# Altium PCB PCB4.PcbDoc (part 3 of 12) (continued)
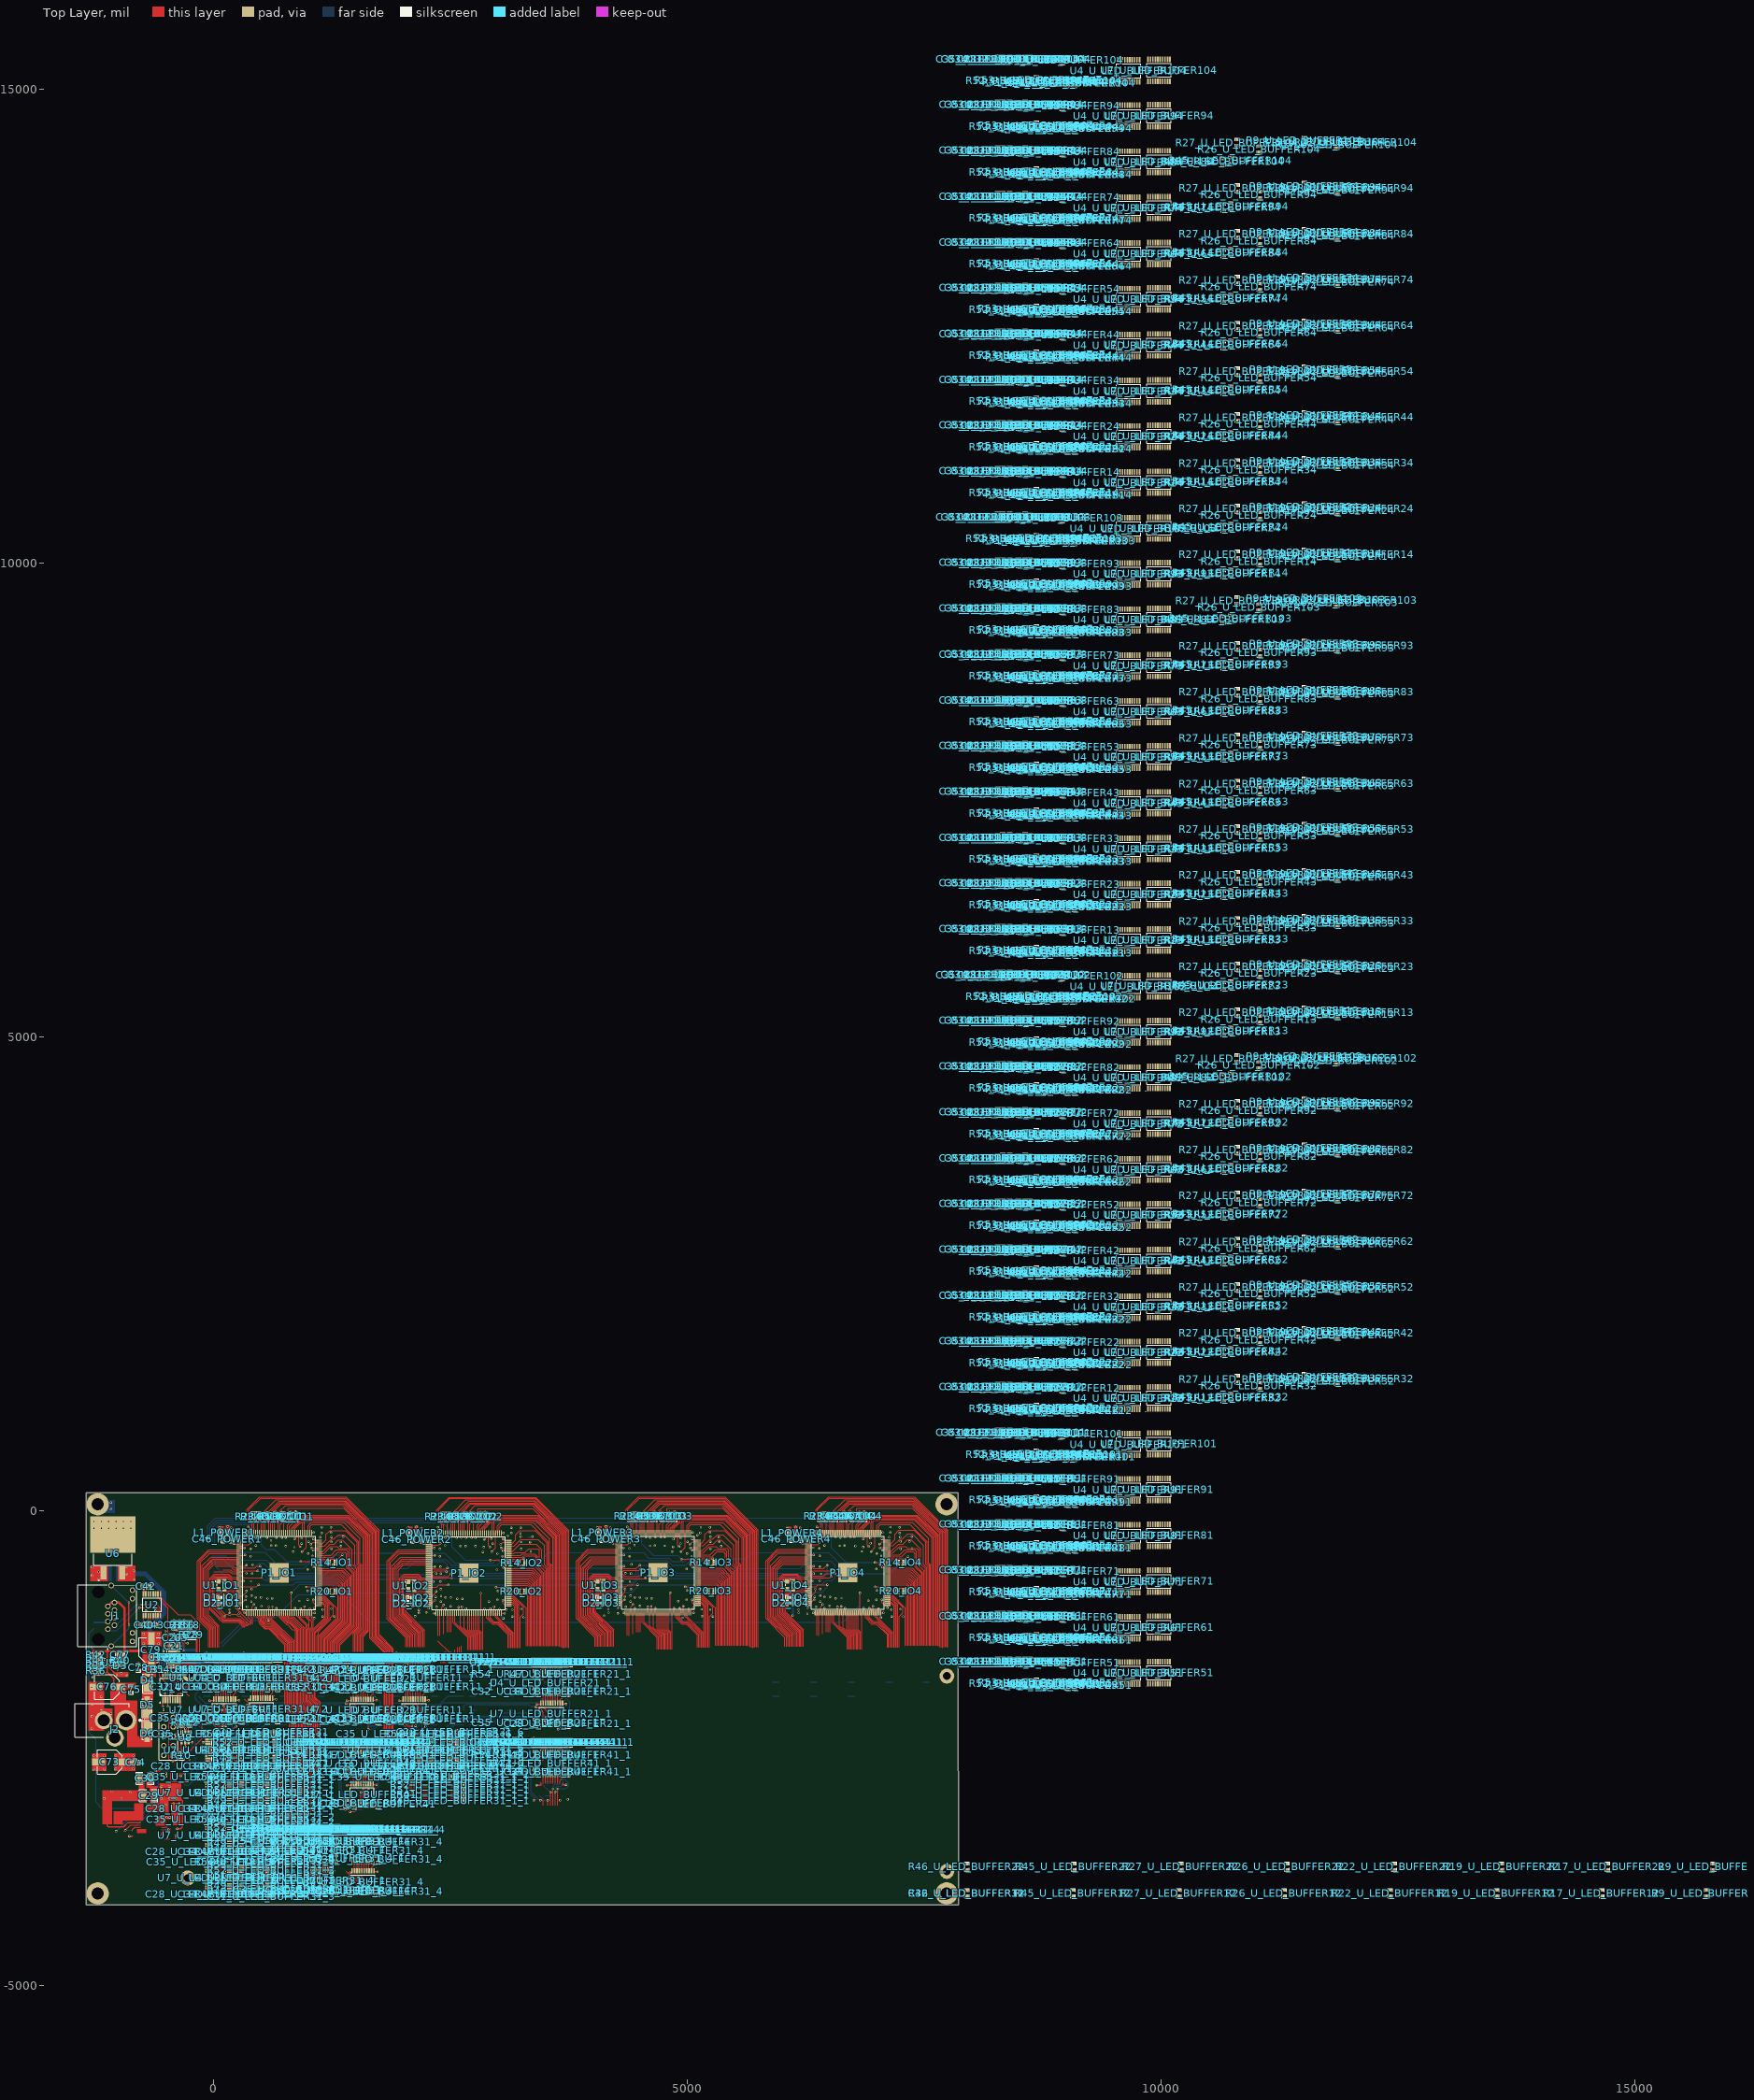
[diagram p0: Top Layer view]
## Components (designator, comment, footprint, x,y, rotation, side; value= is the part's Value field where it differs from the comment) (continued)
D14_U_LED_BUFFER101 "LEDG" LED_0603 5640,-4531.18 r90 bottom value=GREEN (schematic designator D14)
D14_U_LED_BUFFER102 "LEDG" LED_0603 7986.74,5536.19 r90 bottom value=GREEN (schematic designator D14)
D14_U_LED_BUFFER103 "LEDG" LED_0603 7986.74,10366.89 r90 bottom value=GREEN (schematic designator D14)
D14_U_LED_BUFFER104 "LEDG" LED_0603 7986.74,15197.59 r90 bottom value=GREEN (schematic designator D14)
J1 "RJHSE-5381" RJHSE5381 -1117.5,-1106.42 r270 top locked
J2 "PJ-002BH" PJ002BH -920.29,-2205.46 r180 top
L1_POWER1 "100R,1A" 0603L 116.96,-226.76 r180 top value=100R/1A (schematic designator L1)
L1_POWER2 "100R,1A" 0603L 2110,-230 r180 top value=100R/1A (schematic designator L1)
L1_POWER3 "100R,1A" 0603L 4108.38,-225.55 r180 top value=100R/1A (schematic designator L1)
L1_POWER4 "100R,1A" 0603L 6110,-230 r180 top value=100R/1A (schematic designator L1)
L3_POWER1 "100R,1A" 0603L 1293.57,-269.4 r0 bottom value=100R/1A (schematic designator L3)
L3_POWER2 "100R,1A" 0603L 3294.67,-272 r0 bottom value=100R/1A (schematic designator L3)
L3_POWER3 "100R,1A" 0603L 5291.57,-268.55 r0 bottom value=100R/1A (schematic designator L3)
L3_POWER4 "100R,1A" 0603L 7294.57,-268.4 r0 bottom value=100R/1A (schematic designator L3)
L4 "2.2uH" IHLP1616BZER2R2M5A -190,-1462.52 r270 bottom
P1_IO1 "10M04SC E144" 10M04SCE144C8G 693.47,-651.06 r0 top (schematic designator P1)
P1_IO2 "10M04SC E144" 10M04SCE144C8G 2694.57,-653.66 r0 top (schematic designator P1)
P1_IO3 "10M04SC E144" 10M04SCE144C8G 4691.47,-650.21 r0 top (schematic designator P1)
P1_IO4 "10M04SC E144" 10M04SCE144C8G 6694.47,-650.06 r0 top locked (schematic designator P1)
P3 "JTAG" HDR2X5 -422.4,-2575.5 r90 top
R1_IO1 "10K" 0603R 366.2,-562.3 r0 bottom (schematic designator R1)
R1_IO2 "10K" 0603R 2367.3,-564.9 r0 bottom (schematic designator R1)
R1_IO3 "10K" 0603R 4364.2,-561.45 r0 bottom (schematic designator R1)
R1_IO4 "10K" 0603R 6367.2,-561.3 r0 bottom (schematic designator R1)
R2_IO1 "10K" 0603R 423.2,-55.3 r90 top (schematic designator R2)
R2_IO2 "10K" 0603R 2424.3,-57.9 r90 top (schematic designator R2)
R2_IO3 "10K" 0603R 4421.2,-54.45 r90 top (schematic designator R2)
R2_IO4 "10K" 0603R 6424.2,-54.3 r90 top (schematic designator R2)
R3_IO1 "10K" 0603R 483.2,-55.3 r90 top (schematic designator R3)
R3_IO2 "10K" 0603R 2484.3,-57.9 r90 top (schematic designator R3)
R3_IO3 "10K" 0603R 4481.2,-54.45 r90 top (schematic designator R3)
R3_IO4 "10K" 0603R 6484.2,-54.3 r90 top (schematic designator R3)
R4_IO1 "10K" 0603R 564.2,-55.3 r90 top (schematic designator R4)
R4_IO2 "10K" 0603R 2565.3,-57.9 r90 top (schematic designator R4)
R4_IO3 "10K" 0603R 4562.2,-54.45 r90 top (schematic designator R4)
R4_IO4 "10K" 0603R 6565.2,-54.3 r90 top (schematic designator R4)
R5_IO1 "10K" 0603R 661.2,-55.3 r90 top (schematic designator R5)
R5_IO2 "10K" 0603R 2662.3,-57.9 r90 top (schematic designator R5)
R5_IO3 "10K" 0603R 4659.2,-54.45 r90 top (schematic designator R5)
R5_IO4 "10K" 0603R 6662.2,-54.3 r90 top (schematic designator R5)
R6_IO1 "10K" 0603R 816.2,-55.3 r90 top (schematic designator R6)
R6_IO2 "10K" 0603R 2817.3,-57.9 r90 top (schematic designator R6)
R6_IO3 "10K" 0603R 4814.2,-54.45 r90 top (schematic designator R6)
R6_IO4 "10K" 0603R 6817.2,-54.3 r90 top (schematic designator R6)
R7_IO1 "10K" 0603R 870.2,-55.3 r90 top (schematic designator R7)
R7_IO2 "10K" 0603R 2871.3,-57.9 r90 top (schematic designator R7)
R7_IO3 "10K" 0603R 4868.2,-54.45 r90 top (schematic designator R7)
R7_IO4 "10K" 0603R 6871.2,-54.3 r90 top (schematic designator R7)
R8_IO1 "220R" 0603R 143.2,-892.3 r180 bottom (schematic designator R8)
R8_IO2 "220R" 0603R 2144.3,-894.9 r180 bottom (schematic designator R8)
R8_IO3 "220R" 0603R 4141.2,-891.45 r180 bottom (schematic designator R8)
R8_IO4 "220R" 0603R 6144.2,-891.3 r180 bottom (schematic designator R8)
R9_U_LED_BUFFER11 "330R" 0603R -130,-1800 r0 bottom (schematic designator R9)
R9_U_LED_BUFFER11_1 "330R" 0603R 1870,-1800 r0 bottom (schematic designator R9)
R9_U_LED_BUFFER12 "330R" 0603R 15760,-4030 r90 top (schematic designator R9)
R9_U_LED_BUFFER13 "330R" 0603R 11516.84,5283.27 r90 top (schematic designator R9)
R9_U_LED_BUFFER14 "330R" 0603R 11516.84,10113.96 r90 top (schematic designator R9)
R9_U_LED_BUFFER21 "330R" 0603R 1070,-1950 r0 bottom (schematic designator R9)
R9_U_LED_BUFFER21_1 "330R" 0603R 3070,-1950 r0 bottom (schematic designator R9)
R9_U_LED_BUFFER22 "330R" 0603R 15830,-3750 r90 top (schematic designator R9)
R9_U_LED_BUFFER23 "330R" 0603R 11516.84,5767.52 r90 top (schematic designator R9)
R9_U_LED_BUFFER24 "330R" 0603R 11516.84,10598.22 r90 top (schematic designator R9)
R9_U_LED_BUFFER31 "330R" 0603R 270,-2250 r0 bottom (schematic designator R9)
R9_U_LED_BUFFER31_1 "330R" 0603R 2270,-2250 r0 bottom (schematic designator R9)
R9_U_LED_BUFFER32 "330R" 0603R 11516.84,1417.13 r90 top (schematic designator R9)
R9_U_LED_BUFFER33 "330R" 0603R 11516.84,6247.83 r90 top (schematic designator R9)
R9_U_LED_BUFFER34 "330R" 0603R 11516.84,11078.53 r90 top (schematic designator R9)
R9_U_LED_BUFFER41 "330R" 0603R 1470,-2400 r0 bottom (schematic designator R9)
R9_U_LED_BUFFER41_1 "330R" 0603R 3470,-2400 r0 bottom (schematic designator R9)
R9_U_LED_BUFFER42 "330R" 0603R 11516.84,1901.38 r90 top (schematic designator R9)
R9_U_LED_BUFFER43 "330R" 0603R 11516.84,6732.08 r90 top (schematic designator R9)
R9_U_LED_BUFFER44 "330R" 0603R 11516.84,11562.78 r90 top (schematic designator R9)
R9_U_LED_BUFFER51 "330R" 0603R 670,-2700 r0 bottom (schematic designator R9)
R9_U_LED_BUFFER51_1 "330R" 0603R 2670,-2700 r0 bottom (schematic designator R9)
R9_U_LED_BUFFER52 "330R" 0603R 11516.84,2385.63 r90 top (schematic designator R9)
R9_U_LED_BUFFER53 "330R" 0603R 11516.84,7216.33 r90 top (schematic designator R9)
R9_U_LED_BUFFER54 "330R" 0603R 11516.84,12047.03 r90 top (schematic designator R9)
R9_U_LED_BUFFER61 "330R" 0603R -130,-3000 r0 bottom (schematic designator R9)
R9_U_LED_BUFFER62 "330R" 0603R 11516.84,2865.95 r90 top (schematic designator R9)
R9_U_LED_BUFFER63 "330R" 0603R 11516.84,7696.65 r90 top (schematic designator R9)
R9_U_LED_BUFFER64 "330R" 0603R 11516.84,12527.35 r90 top (schematic designator R9)
R9_U_LED_BUFFER71 "330R" 0603R 1070,-3150 r0 bottom (schematic designator R9)
R9_U_LED_BUFFER72 "330R" 0603R 11516.84,3350.2 r90 top (schematic designator R9)
R9_U_LED_BUFFER73 "330R" 0603R 11516.84,8180.9 r90 top (schematic designator R9)
R9_U_LED_BUFFER74 "330R" 0603R 11516.84,13011.6 r90 top (schematic designator R9)
R9_U_LED_BUFFER81 "330R" 0603R 270,-3450 r0 bottom (schematic designator R9)
R9_U_LED_BUFFER82 "330R" 0603R 11516.84,3834.45 r90 top (schematic designator R9)
R9_U_LED_BUFFER83 "330R" 0603R 11516.84,8665.15 r90 top (schematic designator R9)
R9_U_LED_BUFFER84 "330R" 0603R 11516.84,13495.85 r90 top (schematic designator R9)
R9_U_LED_BUFFER91 "330R" 0603R 1470,-3600 r0 bottom (schematic designator R9)
R9_U_LED_BUFFER92 "330R" 0603R 11516.84,4318.7 r90 top (schematic designator R9)
R9_U_LED_BUFFER93 "330R" 0603R 11516.84,9149.4 r90 top (schematic designator R9)
R9_U_LED_BUFFER94 "330R" 0603R 11516.84,13980.1 r90 top (schematic designator R9)
R9_U_LED_BUFFER101 "330R" 0603R 670,-3900 r0 bottom (schematic designator R9)
R9_U_LED_BUFFER102 "330R" 0603R 11516.84,4799.01 r90 top (schematic designator R9)
R9_U_LED_BUFFER103 "330R" 0603R 11516.84,9629.71 r90 top (schematic designator R9)
R9_U_LED_BUFFER104 "330R" 0603R 11516.84,14460.41 r90 top (schematic designator R9)
R10 "10K" 0603R -332.9,-2577.1 r270 top
R11 "10K" 0603R -332.8,-2226.9 r90 top
R12 "1K" 0603R -253.4,-2225.5 r90 top
R13_IO1 "1K" 0603R 735.2,-53.3 r90 top (schematic designator R13)
R13_IO2 "1K" 0603R 2736.3,-55.9 r90 top (schematic designator R13)
R13_IO3 "1K" 0603R 4733.2,-52.45 r90 top (schematic designator R13)
R13_IO4 "1K" 0603R 6736.2,-52.3 r90 top (schematic designator R13)
R14_IO1 "4.7K" 0603R 1255.2,-541.3 r180 top (schematic designator R14)
R14_IO2 "4.7K" 0603R 3256.3,-543.9 r180 top (schematic designator R14)
R14_IO3 "4.7K" 0603R 5253.2,-540.45 r180 top (schematic designator R14)
R14_IO4 "4.7K" 0603R 7256.2,-540.3 r180 top (schematic designator R14)
R15 "604K" 0603R -357.12,-1199.6 r270 top
R16 "20R" 0603R -302,-1199.6 r270 top
R17_U_LED_BUFFER11 "330R" 0603R 270,-1800 r0 bottom (schematic designator R17)
R17_U_LED_BUFFER11_1 "330R" 0603R 2270,-1800 r0 bottom (schematic designator R17)
R17_U_LED_BUFFER12 "330R" 0603R 14650,-4030 r90 top (schematic designator R17)
R17_U_LED_BUFFER13 "330R" 0603R 11856.74,5240.44 r90 top (schematic designator R17)
R17_U_LED_BUFFER14 "330R" 0603R 11856.74,10071.14 r90 top (schematic designator R17)
R17_U_LED_BUFFER21 "330R" 0603R 1470,-1950 r0 bottom (schematic designator R17)
R17_U_LED_BUFFER21_1 "330R" 0603R 3470,-1950 r0 bottom (schematic designator R17)
R17_U_LED_BUFFER22 "330R" 0603R 14710,-3750 r90 top (schematic designator R17)
R17_U_LED_BUFFER23 "330R" 0603R 11856.74,5724.69 r90 top (schematic designator R17)
R17_U_LED_BUFFER24 "330R" 0603R 11856.74,10555.39 r90 top (schematic designator R17)
R17_U_LED_BUFFER31 "330R" 0603R 670,-2250 r0 bottom (schematic designator R17)
R17_U_LED_BUFFER31_1 "330R" 0603R 2670,-2250 r0 bottom (schematic designator R17)
R17_U_LED_BUFFER32 "330R" 0603R 11856.74,1374.31 r90 top (schematic designator R17)
R17_U_LED_BUFFER33 "330R" 0603R 11856.74,6205.01 r90 top (schematic designator R17)
R17_U_LED_BUFFER34 "330R" 0603R 11856.74,11035.71 r90 top (schematic designator R17)
R17_U_LED_BUFFER41 "330R" 0603R 1470,-2550 r0 bottom (schematic designator R17)
R17_U_LED_BUFFER41_1 "330R" 0603R 3470,-2550 r0 bottom (schematic designator R17)
R17_U_LED_BUFFER42 "330R" 0603R 11856.74,1858.56 r90 top (schematic designator R17)
R17_U_LED_BUFFER43 "330R" 0603R 11856.74,6689.26 r90 top (schematic designator R17)
R17_U_LED_BUFFER44 "330R" 0603R 11856.74,11519.96 r90 top (schematic designator R17)
R17_U_LED_BUFFER51 "330R" 0603R 1070,-2700 r0 bottom (schematic designator R17)
R17_U_LED_BUFFER51_1 "330R" 0603R 3070,-2700 r0 bottom (schematic designator R17)
R17_U_LED_BUFFER52 "330R" 0603R 11856.74,2342.81 r90 top (schematic designator R17)
R17_U_LED_BUFFER53 "330R" 0603R 11856.74,7173.51 r90 top (schematic designator R17)
R17_U_LED_BUFFER54 "330R" 0603R 11856.74,12004.21 r90 top (schematic designator R17)
R17_U_LED_BUFFER61 "330R" 0603R 270,-3000 r0 bottom (schematic designator R17)
R17_U_LED_BUFFER61_1 "330R" 0603R 2270,-3000 r0 bottom (schematic designator R17)
R17_U_LED_BUFFER62 "330R" 0603R 11856.74,2823.12 r90 top (schematic designator R17)
R17_U_LED_BUFFER63 "330R" 0603R 11856.74,7653.82 r90 top (schematic designator R17)
R17_U_LED_BUFFER64 "330R" 0603R 11856.74,12484.52 r90 top (schematic designator R17)
R17_U_LED_BUFFER71 "330R" 0603R 1890,-3000 r0 bottom (schematic designator R17)
R17_U_LED_BUFFER72 "330R" 0603R 11856.74,3307.38 r90 top (schematic designator R17)
R17_U_LED_BUFFER73 "330R" 0603R 11856.74,8138.07 r90 top (schematic designator R17)
R17_U_LED_BUFFER74 "330R" 0603R 11856.74,12968.77 r90 top (schematic designator R17)
R17_U_LED_BUFFER81 "330R" 0603R 670,-3450 r0 bottom (schematic designator R17)
R17_U_LED_BUFFER82 "330R" 0603R 11856.74,3791.63 r90 top (schematic designator R17)
R17_U_LED_BUFFER83 "330R" 0603R 11856.74,8622.32 r90 top (schematic designator R17)
R17_U_LED_BUFFER84 "330R" 0603R 11856.74,13453.02 r90 top (schematic designator R17)
R17_U_LED_BUFFER91 "330R" 0603R -130,-3750 r0 bottom (schematic designator R17)
R17_U_LED_BUFFER92 "330R" 0603R 11856.74,4275.88 r90 top (schematic designator R17)
R17_U_LED_BUFFER93 "330R" 0603R 11856.74,9106.58 r90 top (schematic designator R17)
R17_U_LED_BUFFER94 "330R" 0603R 11856.74,13937.27 r90 top (schematic designator R17)
R17_U_LED_BUFFER101 "330R" 0603R 1070,-3900 r0 bottom (schematic designator R17)
R17_U_LED_BUFFER102 "330R" 0603R 11856.74,4756.19 r90 top (schematic designator R17)
R17_U_LED_BUFFER103 "330R" 0603R 11856.74,9586.89 r90 top (schematic designator R17)
R17_U_LED_BUFFER104 "330R" 0603R 11856.74,14417.59 r90 top (schematic designator R17)
R18 "40.2K" 0603R -246.1,-1199.9 r270 top
R19_U_LED_BUFFER11 "330R" 0603R 670,-1800 r0 bottom (schematic designator R19)
R19_U_LED_BUFFER11_1 "330R" 0603R 2670,-1800 r0 bottom (schematic designator R19)
R19_U_LED_BUFFER12 "330R" 0603R 13540,-4030 r90 top (schematic designator R19)
R19_U_LED_BUFFER13 "330R" 0603R 11726.74,5270.44 r90 top (schematic designator R19)
R19_U_LED_BUFFER14 "330R" 0603R 11726.74,10101.14 r90 top (schematic designator R19)
R19_U_LED_BUFFER21 "330R" 0603R -130,-2100 r0 bottom (schematic designator R19)
R19_U_LED_BUFFER22 "330R" 0603R 13590,-3750 r90 top (schematic designator R19)
R19_U_LED_BUFFER23 "330R" 0603R 11726.74,5754.69 r90 top (schematic designator R19)
R19_U_LED_BUFFER24 "330R" 0603R 11726.74,10585.39 r90 top (schematic designator R19)
R19_U_LED_BUFFER31 "330R" 0603R 1070,-2250 r0 bottom (schematic designator R19)
R19_U_LED_BUFFER31_1 "330R" 0603R 3070,-2250 r0 bottom (schematic designator R19)
R19_U_LED_BUFFER32 "330R" 0603R 11726.74,1404.31 r90 top (schematic designator R19)
R19_U_LED_BUFFER33 "330R" 0603R 11726.74,6235.01 r90 top (schematic designator R19)
R19_U_LED_BUFFER34 "330R" 0603R 11726.74,11065.71 r90 top (schematic designator R19)
R19_U_LED_BUFFER41 "330R" 0603R 1470,-2700 r0 bottom (schematic designator R19)
R19_U_LED_BUFFER41_1 "330R" 0603R 3470,-2700 r0 bottom (schematic designator R19)
R19_U_LED_BUFFER42 "330R" 0603R 11726.74,1888.56 r90 top (schematic designator R19)
R19_U_LED_BUFFER43 "330R" 0603R 11726.74,6719.26 r90 top (schematic designator R19)
R19_U_LED_BUFFER44 "330R" 0603R 11726.74,11549.96 r90 top (schematic designator R19)
R19_U_LED_BUFFER51 "330R" 0603R 2020,-2550 r0 bottom (schematic designator R19)
R19_U_LED_BUFFER52 "330R" 0603R 11726.74,2372.81 r90 top (schematic designator R19)
R19_U_LED_BUFFER53 "330R" 0603R 11726.74,7203.51 r90 top (schematic designator R19)
R19_U_LED_BUFFER54 "330R" 0603R 11726.74,12034.21 r90 top (schematic designator R19)
R19_U_LED_BUFFER61 "330R" 0603R 670,-3000 r0 bottom (schematic designator R19)
R19_U_LED_BUFFER61_1 "330R" 0603R 2670,-3000 r0 bottom (schematic designator R19)
R19_U_LED_BUFFER62 "330R" 0603R 11726.74,2853.12 r90 top (schematic designator R19)
R19_U_LED_BUFFER63 "330R" 0603R 11726.74,7683.82 r90 top (schematic designator R19)
R19_U_LED_BUFFER64 "330R" 0603R 11726.74,12514.52 r90 top (schematic designator R19)
R19_U_LED_BUFFER71 "330R" 0603R -130,-3300 r0 bottom (schematic designator R19)
R19_U_LED_BUFFER72 "330R" 0603R 11726.74,3337.38 r90 top (schematic designator R19)
R19_U_LED_BUFFER73 "330R" 0603R 11726.74,8168.07 r90 top (schematic designator R19)
R19_U_LED_BUFFER74 "330R" 0603R 11726.74,12998.77 r90 top (schematic designator R19)
R19_U_LED_BUFFER81 "330R" 0603R 1070,-3450 r0 bottom (schematic designator R19)
R19_U_LED_BUFFER82 "330R" 0603R 11726.74,3821.63 r90 top (schematic designator R19)
R19_U_LED_BUFFER83 "330R" 0603R 11726.74,8652.32 r90 top (schematic designator R19)
R19_U_LED_BUFFER84 "330R" 0603R 11726.74,13483.02 r90 top (schematic designator R19)
R19_U_LED_BUFFER91 "330R" 0603R 270,-3750 r0 bottom (schematic designator R19)
R19_U_LED_BUFFER92 "330R" 0603R 11726.74,4305.88 r90 top (schematic designator R19)
R19_U_LED_BUFFER93 "330R" 0603R 11726.74,9136.58 r90 top (schematic designator R19)
R19_U_LED_BUFFER94 "330R" 0603R 11726.74,13967.27 r90 top (schematic designator R19)
R19_U_LED_BUFFER101 "330R" 0603R 1470,-3900 r0 bottom (schematic designator R19)
R19_U_LED_BUFFER102 "330R" 0603R 11726.74,4786.19 r90 top (schematic designator R19)
R19_U_LED_BUFFER103 "330R" 0603R 11726.74,9616.89 r90 top (schematic designator R19)
R19_U_LED_BUFFER104 "330R" 0603R 11726.74,14447.59 r90 top (schematic designator R19)
R20_IO1 "4.7K" 0603R 1254.2,-844.3 r180 top (schematic designator R20)
R20_IO2 "4.7K" 0603R 3255.3,-846.9 r180 top (schematic designator R20)
R20_IO3 "4.7K" 0603R 5252.2,-843.45 r180 top (schematic designator R20)
R20_IO4 "4.7K" 0603R 7255.2,-843.3 r180 top (schematic designator R20)
R21_IO1 "220R" 0603R 143.2,-953.3 r180 bottom (schematic designator R21)
R21_IO2 "220R" 0603R 2144.3,-955.9 r180 bottom (schematic designator R21)
R21_IO3 "220R" 0603R 4141.2,-952.45 r180 bottom (schematic designator R21)
R21_IO4 "220R" 0603R 6144.2,-952.3 r180 bottom (schematic designator R21)
R22_U_LED_BUFFER11 "330R" 0603R 1070,-1800 r0 bottom (schematic designator R22)
R22_U_LED_BUFFER11_1 "330R" 0603R 3070,-1800 r0 bottom (schematic designator R22)
R22_U_LED_BUFFER12 "330R" 0603R 12420,-4030 r90 top (schematic designator R22)
R22_U_LED_BUFFER13 "330R" 0603R 12058.03,5263.27 r90 top (schematic designator R22)
R22_U_LED_BUFFER14 "330R" 0603R 12058.03,10093.96 r90 top (schematic designator R22)
R22_U_LED_BUFFER21 "330R" 0603R 270,-2100 r0 bottom (schematic designator R22)
R22_U_LED_BUFFER21_1 "330R" 0603R 2270,-2100 r0 bottom (schematic designator R22)
R22_U_LED_BUFFER22 "330R" 0603R 12460,-3750 r90 top (schematic designator R22)
R22_U_LED_BUFFER23 "330R" 0603R 12058.03,5747.52 r90 top (schematic designator R22)
R22_U_LED_BUFFER24 "330R" 0603R 12058.03,10578.22 r90 top (schematic designator R22)
R22_U_LED_BUFFER31 "330R" 0603R 1470,-2250 r0 bottom (schematic designator R22)
R22_U_LED_BUFFER31_1 "330R" 0603R 3470,-2250 r0 bottom (schematic designator R22)
R22_U_LED_BUFFER32 "330R" 0603R 12058.03,1397.13 r90 top (schematic designator R22)
R22_U_LED_BUFFER33 "330R" 0603R 12058.03,6227.83 r90 top (schematic designator R22)
R22_U_LED_BUFFER34 "330R" 0603R 12058.03,11058.53 r90 top (schematic designator R22)
R22_U_LED_BUFFER41 "330R" 0603R 1470,-2850 r0 bottom (schematic designator R22)
R22_U_LED_BUFFER41_1 "330R" 0603R 3470,-2850 r0 bottom (schematic designator R22)
R22_U_LED_BUFFER42 "330R" 0603R 12058.03,1881.38 r90 top (schematic designator R22)
R22_U_LED_BUFFER43 "330R" 0603R 12058.03,6712.08 r90 top (schematic designator R22)
R22_U_LED_BUFFER44 "330R" 0603R 12058.03,11542.78 r90 top (schematic designator R22)
R22_U_LED_BUFFER51 "330R" 0603R -130,-2850 r0 bottom (schematic designator R22)
R22_U_LED_BUFFER52 "330R" 0603R 12058.03,2365.63 r90 top (schematic designator R22)
R22_U_LED_BUFFER53 "330R" 0603R 12058.03,7196.33 r90 top (schematic designator R22)
R22_U_LED_BUFFER54 "330R" 0603R 12058.03,12027.03 r90 top (schematic designator R22)
R22_U_LED_BUFFER61 "330R" 0603R 1070,-3000 r0 bottom (schematic designator R22)
R22_U_LED_BUFFER61_1 "330R" 0603R 3070,-3000 r0 bottom (schematic designator R22)
R22_U_LED_BUFFER62 "330R" 0603R 12058.03,2845.95 r90 top (schematic designator R22)
R22_U_LED_BUFFER63 "330R" 0603R 12058.03,7676.65 r90 top (schematic designator R22)
R22_U_LED_BUFFER64 "330R" 0603R 12058.03,12507.35 r90 top (schematic designator R22)
R22_U_LED_BUFFER71 "330R" 0603R 270,-3300 r0 bottom (schematic designator R22)
R22_U_LED_BUFFER72 "330R" 0603R 12058.03,3330.2 r90 top (schematic designator R22)
R22_U_LED_BUFFER73 "330R" 0603R 12058.03,8160.9 r90 top (schematic designator R22)
R22_U_LED_BUFFER74 "330R" 0603R 12058.03,12991.6 r90 top (schematic designator R22)
R22_U_LED_BUFFER81 "330R" 0603R 1470,-3450 r0 bottom (schematic designator R22)
R22_U_LED_BUFFER82 "330R" 0603R 12058.03,3814.45 r90 top (schematic designator R22)
R22_U_LED_BUFFER83 "330R" 0603R 12058.03,8645.15 r90 top (schematic designator R22)
R22_U_LED_BUFFER84 "330R" 0603R 12058.03,13475.85 r90 top (schematic designator R22)
R22_U_LED_BUFFER91 "330R" 0603R 670,-3750 r0 bottom (schematic designator R22)
R22_U_LED_BUFFER92 "330R" 0603R 12058.03,4298.7 r90 top (schematic designator R22)
R22_U_LED_BUFFER93 "330R" 0603R 12058.03,9129.4 r90 top (schematic designator R22)
R22_U_LED_BUFFER94 "330R" 0603R 12058.03,13960.1 r90 top (schematic designator R22)
R22_U_LED_BUFFER101 "330R" 0603R 3100,-5600 r90 bottom (schematic designator R22)
R22_U_LED_BUFFER102 "330R" 0603R 12058.03,4779.01 r90 top (schematic designator R22)
R22_U_LED_BUFFER103 "330R" 0603R 12058.03,9609.71 r90 top (schematic designator R22)
R22_U_LED_BUFFER104 "330R" 0603R 12058.03,14440.41 r90 top (schematic designator R22)
R23 "10K" 0603R 765.5,-318.3 r90 bottom
R24 "10K" 0603R 889,-427.2 r0 bottom
R25 "10K" 0603R 2764.2,-320.9 r90 bottom
R26_U_LED_BUFFER11 "330R" 0603R 1460,-1800 r0 bottom (schematic designator R26)
R26_U_LED_BUFFER11_1 "330R" 0603R 3460,-1800 r0 bottom (schematic designator R26)
R26_U_LED_BUFFER12 "330R" 0603R 11300,-4030 r90 top (schematic designator R26)
R26_U_LED_BUFFER13 "330R" 0603R 11036.74,5190.44 r90 top (schematic designator R26)
R26_U_LED_BUFFER14 "330R" 0603R 11036.74,10021.14 r90 top (schematic designator R26)
R26_U_LED_BUFFER21 "330R" 0603R 670,-2100 r0 bottom (schematic designator R26)
R26_U_LED_BUFFER21_1 "330R" 0603R 2670,-2100 r0 bottom (schematic designator R26)
R26_U_LED_BUFFER22 "330R" 0603R 11330,-3750 r90 top (schematic designator R26)
R26_U_LED_BUFFER23 "330R" 0603R 11036.74,5674.69 r90 top (schematic designator R26)
R26_U_LED_BUFFER24 "330R" 0603R 11036.74,10505.39 r90 top (schematic designator R26)
R26_U_LED_BUFFER31 "330R" 0603R -130,-2400 r0 bottom (schematic designator R26)
R26_U_LED_BUFFER32 "330R" 0603R 11036.74,1324.31 r90 top (schematic designator R26)
R26_U_LED_BUFFER33 "330R" 0603R 11036.74,6155.01 r90 top (schematic designator R26)
R26_U_LED_BUFFER34 "330R" 0603R 11036.74,10985.71 r90 top (schematic designator R26)
R26_U_LED_BUFFER41 "330R" 0603R 1470,-3000 r0 bottom (schematic designator R26)
R26_U_LED_BUFFER41_1 "330R" 0603R 3470,-3000 r0 bottom (schematic designator R26)
R26_U_LED_BUFFER42 "330R" 0603R 11036.74,1808.56 r90 top (schematic designator R26)
R26_U_LED_BUFFER43 "330R" 0603R 11036.74,6639.26 r90 top (schematic designator R26)
R26_U_LED_BUFFER44 "330R" 0603R 11036.74,11469.96 r90 top (schematic designator R26)
R26_U_LED_BUFFER51 "330R" 0603R 270,-2850 r0 bottom (schematic designator R26)
R26_U_LED_BUFFER51_1 "330R" 0603R 2270,-2850 r0 bottom (schematic designator R26)
R26_U_LED_BUFFER52 "330R" 0603R 11036.74,2292.81 r90 top (schematic designator R26)
R26_U_LED_BUFFER53 "330R" 0603R 11036.74,7123.51 r90 top (schematic designator R26)
R26_U_LED_BUFFER54 "330R" 0603R 11036.74,11954.21 r90 top (schematic designator R26)
R26_U_LED_BUFFER61 "330R" 0603R 1880,-3120 r0 bottom (schematic designator R26)
R26_U_LED_BUFFER62 "330R" 0603R 11036.74,2773.12 r90 top (schematic designator R26)
R26_U_LED_BUFFER63 "330R" 0603R 11036.74,7603.82 r90 top (schematic designator R26)
R26_U_LED_BUFFER64 "330R" 0603R 11036.74,12434.52 r90 top (schematic designator R26)
R26_U_LED_BUFFER71 "330R" 0603R 670,-3300 r0 bottom (schematic designator R26)
R26_U_LED_BUFFER72 "330R" 0603R 11036.74,3257.38 r90 top (schematic designator R26)
R26_U_LED_BUFFER73 "330R" 0603R 11036.74,8088.07 r90 top (schematic designator R26)
R26_U_LED_BUFFER74 "330R" 0603R 11036.74,12918.77 r90 top (schematic designator R26)
R26_U_LED_BUFFER81 "330R" 0603R -130,-3600 r0 bottom (schematic designator R26)
R26_U_LED_BUFFER82 "330R" 0603R 11036.74,3741.63 r90 top (schematic designator R26)
R26_U_LED_BUFFER83 "330R" 0603R 11036.74,8572.32 r90 top (schematic designator R26)
R26_U_LED_BUFFER84 "330R" 0603R 11036.74,13403.02 r90 top (schematic designator R26)
R26_U_LED_BUFFER91 "330R" 0603R 1070,-3750 r0 bottom (schematic designator R26)
R26_U_LED_BUFFER92 "330R" 0603R 11036.74,4225.88 r90 top (schematic designator R26)
R26_U_LED_BUFFER93 "330R" 0603R 11036.74,9056.58 r90 top (schematic designator R26)
R26_U_LED_BUFFER94 "330R" 0603R 11036.74,13887.27 r90 top (schematic designator R26)
R26_U_LED_BUFFER101 "330R" 0603R 3406.74,-4874.51 r90 bottom (schematic designator R26)
R26_U_LED_BUFFER102 "330R" 0603R 11036.74,4706.19 r90 top (schematic designator R26)
R26_U_LED_BUFFER103 "330R" 0603R 11036.74,9536.89 r90 top (schematic designator R26)
R26_U_LED_BUFFER104 "330R" 0603R 11036.74,14367.59 r90 top (schematic designator R26)
R27_U_LED_BUFFER11 "330R" 0603R -130,-1950 r0 bottom (schematic designator R27)
R27_U_LED_BUFFER12 "330R" 0603R 10190,-4030 r90 top (schematic designator R27)
R27_U_LED_BUFFER13 "330R" 0603R 10806.74,5260.44 r90 top (schematic designator R27)
R27_U_LED_BUFFER14 "330R" 0603R 10806.74,10091.14 r90 top (schematic designator R27)
R27_U_LED_BUFFER21 "330R" 0603R 1070,-2100 r0 bottom (schematic designator R27)
R27_U_LED_BUFFER21_1 "330R" 0603R 3070,-2100 r0 bottom (schematic designator R27)
R27_U_LED_BUFFER22 "330R" 0603R 10210,-3750 r90 top (schematic designator R27)
R27_U_LED_BUFFER23 "330R" 0603R 10806.74,5744.69 r90 top (schematic designator R27)
R27_U_LED_BUFFER24 "330R" 0603R 10806.74,10575.39 r90 top (schematic designator R27)
R27_U_LED_BUFFER31 "330R" 0603R 270,-2400 r0 bottom (schematic designator R27)
R27_U_LED_BUFFER31_1 "330R" 0603R 2270,-2400 r0 bottom (schematic designator R27)
R27_U_LED_BUFFER32 "330R" 0603R 10806.74,1394.31 r90 top (schematic designator R27)
R27_U_LED_BUFFER33 "330R" 0603R 10806.74,6225.01 r90 top (schematic designator R27)
R27_U_LED_BUFFER34 "330R" 0603R 10806.74,11055.71 r90 top (schematic designator R27)
R27_U_LED_BUFFER41 "330R" 0603R 1470,-3150 r0 bottom (schematic designator R27)
R27_U_LED_BUFFER42 "330R" 0603R 10806.74,1878.56 r90 top (schematic designator R27)
R27_U_LED_BUFFER43 "330R" 0603R 10806.74,6709.26 r90 top (schematic designator R27)
R27_U_LED_BUFFER44 "330R" 0603R 10806.74,11539.96 r90 top (schematic designator R27)
R27_U_LED_BUFFER51 "330R" 0603R 670,-2850 r0 bottom (schematic designator R27)
R27_U_LED_BUFFER51_1 "330R" 0603R 2670,-2850 r0 bottom (schematic designator R27)
R27_U_LED_BUFFER52 "330R" 0603R 10806.74,2362.81 r90 top (schematic designator R27)
R27_U_LED_BUFFER53 "330R" 0603R 10806.74,7193.51 r90 top (schematic designator R27)
R27_U_LED_BUFFER54 "330R" 0603R 10806.74,12024.21 r90 top (schematic designator R27)
R27_U_LED_BUFFER61 "330R" 0603R -130,-3150 r0 bottom (schematic designator R27)
R27_U_LED_BUFFER62 "330R" 0603R 10806.74,2843.12 r90 top (schematic designator R27)
R27_U_LED_BUFFER63 "330R" 0603R 10806.74,7673.82 r90 top (schematic designator R27)
R27_U_LED_BUFFER64 "330R" 0603R 10806.74,12504.52 r90 top (schematic designator R27)
R27_U_LED_BUFFER71 "330R" 0603R 1070,-3300 r0 bottom (schematic designator R27)
R27_U_LED_BUFFER72 "330R" 0603R 10806.74,3327.38 r90 top (schematic designator R27)
R27_U_LED_BUFFER73 "330R" 0603R 10806.74,8158.07 r90 top (schematic designator R27)
R27_U_LED_BUFFER74 "330R" 0603R 10806.74,12988.77 r90 top (schematic designator R27)
R27_U_LED_BUFFER81 "330R" 0603R 270,-3600 r0 bottom (schematic designator R27)
R27_U_LED_BUFFER82 "330R" 0603R 10806.74,3811.63 r90 top (schematic designator R27)
R27_U_LED_BUFFER83 "330R" 0603R 10806.74,8642.32 r90 top (schematic designator R27)
R27_U_LED_BUFFER84 "330R" 0603R 10806.74,13473.02 r90 top (schematic designator R27)
R27_U_LED_BUFFER91 "330R" 0603R 1470,-3750 r0 bottom (schematic designator R27)
R27_U_LED_BUFFER92 "330R" 0603R 10806.74,4295.88 r90 top (schematic designator R27)
R27_U_LED_BUFFER93 "330R" 0603R 10806.74,9126.58 r90 top (schematic designator R27)
R27_U_LED_BUFFER94 "330R" 0603R 10806.74,13957.27 r90 top (schematic designator R27)
R27_U_LED_BUFFER101 "330R" 0603R 3176.74,-4804.51 r90 bottom (schematic designator R27)
R27_U_LED_BUFFER102 "330R" 0603R 10806.74,4776.19 r90 top (schematic designator R27)
R27_U_LED_BUFFER103 "330R" 0603R 10806.74,9606.89 r90 top (schematic designator R27)
R27_U_LED_BUFFER104 "330R" 0603R 10806.74,14437.59 r90 top (schematic designator R27)
R28 "10K" 0603R -258.58,-1305.35 r90 top
R29 "7.68K" 0603R -207.4,-1305.35 r90 top
R30 "10K" 0603R 2893.6,-431.1 r180 bottom
R31 "10K" 0603R 4761.3,-317.45 r270 bottom
R32 "10K" 0603R 4886.6,-426.6 r0 bottom
R33 "10K" 0603R 6772.8,-317.3 r270 bottom
R34 "10K" 0603R 6890.1,-424.3 r180 bottom
R35 "13K" 0603R -1239.46,-1629.89 r180 top
R36 "40.2K" 0603R -1239.46,-1685.42 r0 top
R37 "2K" 0603R -979.66,-1629.32 r180 bottom
R38 "1K" 0603R -1239.46,-1629.89 r180 bottom
R39 "13K" 0603R -1239.46,-1685.42 r0 bottom
R40 "20K" 0603R -979.66,-1574.36 r180 top
R41 "13K" 0603R -1239.46,-1574.36 r180 top
R42 "40.2K" 0603R -1239.46,-1518.82 r0 top
R43 "1K" 0603R -1239.46,-1574.36 r180 bottom
R44 "10K" 0603R -1239.46,-1518.82 r0 bottom
R45_U_LED_BUFFER11 "330R" 0603R 270,-1950 r0 bottom (schematic designator R45)
R45_U_LED_BUFFER11_1 "330R" 0603R 2270,-1950 r0 bottom (schematic designator R45)
R45_U_LED_BUFFER12 "330R" 0603R 9070,-4030 r90 top (schematic designator R45)
R45_U_LED_BUFFER13 "330R" 0603R 10736.74,5070.44 r90 top (schematic designator R45)
R45_U_LED_BUFFER14 "330R" 0603R 10736.74,9901.14 r90 top (schematic designator R45)
R45_U_LED_BUFFER21 "330R" 0603R 1470,-2100 r0 bottom (schematic designator R45)
R45_U_LED_BUFFER21_1 "330R" 0603R 3470,-2100 r0 bottom (schematic designator R45)
R45_U_LED_BUFFER22 "330R" 0603R 9080,-3750 r90 top (schematic designator R45)